# KiCad board Si5351ABreakout_panel.kicad_pcb (continued)
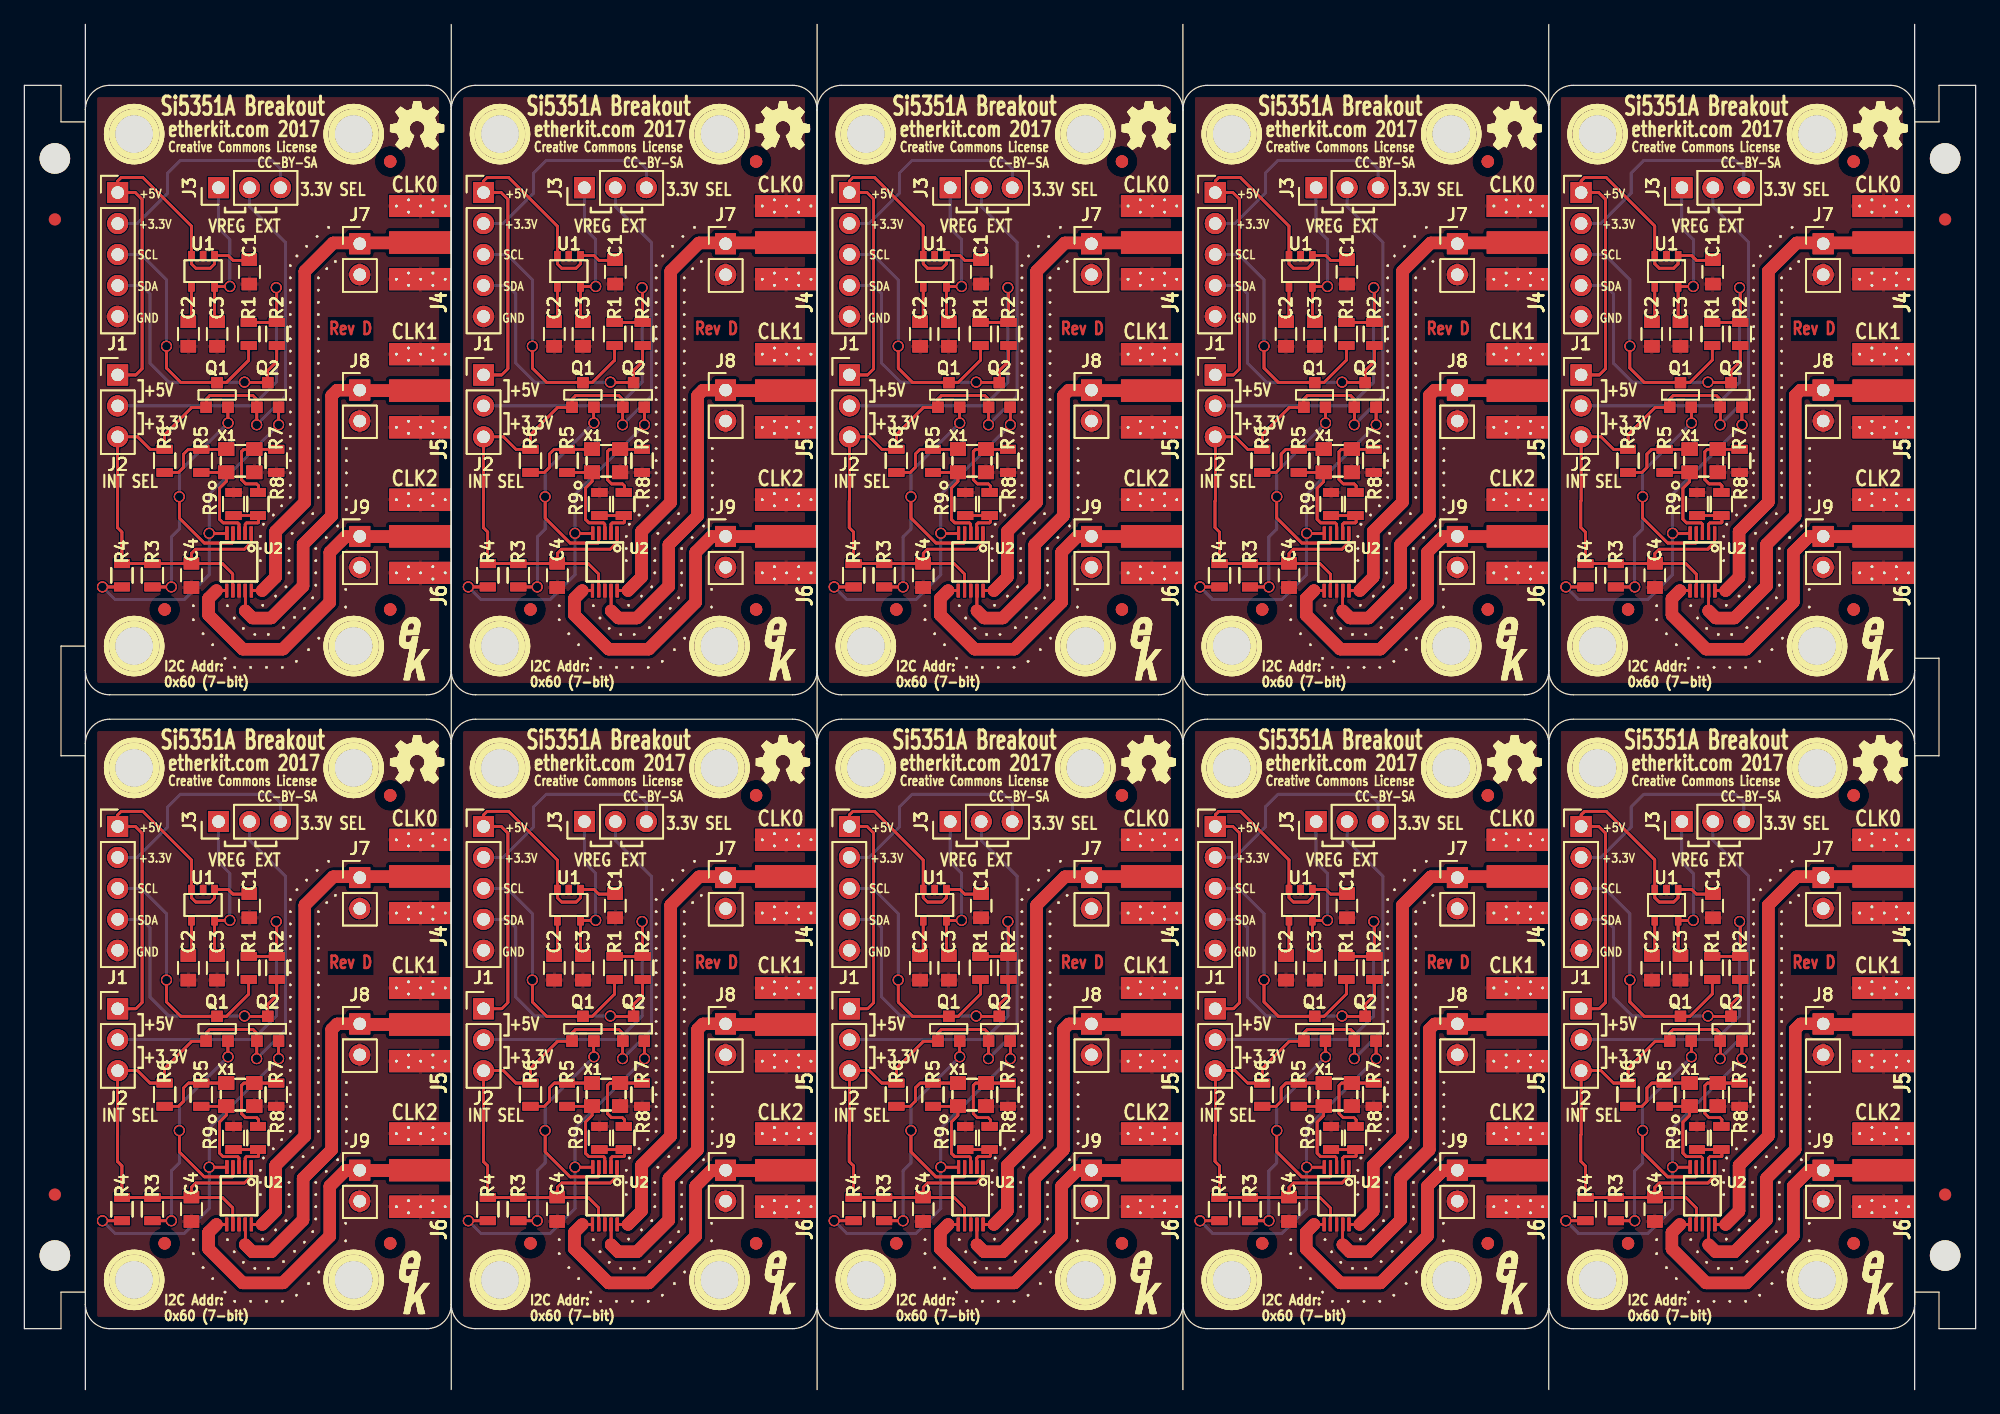
[diagram p0: board, top side]
## Placement (name value [footprint] x y rotation side) (continued)
VIA#3145  VAL**  [VIA]  107.2 11.3 0 top
VIA#3146  VAL**  [VIA]  107.2 11.3 0 top
VIA#3147  VAL**  [VIA]  106.65 12.3 0 top
VIA#3148  VAL**  [VIA]  106.65 12.3 0 top
VIA#3149  VAL**  [VIA]  109.35 18 0 top
VIA#3150  VAL**  [VIA]  109.35 18 0 top
VIA#3151  VAL**  [VIA]  109.35 18 0 top
VIA#3152  VAL**  [VIA]  109.35 17 0 top
VIA#3153  VAL**  [VIA]  109.35 18 0 top
VIA#3154  VAL**  [VIA]  109.35 17 0 top
VIA#3155  VAL**  [VIA]  109.35 17 0 top
VIA#3156  VAL**  [VIA]  109.35 17 0 top
VIA#3157  VAL**  [VIA]  103.85 12.3 0 top
VIA#3158  VAL**  [VIA]  103.85 12.3 0 top
VIA#3159  VAL**  [VIA]  103.85 12.3 0 top
VIA#3160  VAL**  [VIA]  103.85 12.3 0 top
VIA#3161  VAL**  [VIA]  109.55 12.35 0 top
VIA#3162  VAL**  [VIA]  109.35 16 0 top
VIA#3163  VAL**  [VIA]  109.55 12.35 0 top
VIA#3164  VAL**  [VIA]  109.55 12.35 0 top
VIA#3165  VAL**  [VIA]  109.55 12.35 0 top
VIA#3166  VAL**  [VIA]  109.35 16 0 top
VIA#3167  VAL**  [VIA]  109.35 16 0 top
VIA#3168  VAL**  [VIA]  109.35 16 0 top
VIA#3169  VAL**  [VIA]  111.7 16 0 top
VIA#3170  VAL**  [VIA]  111.7 17 0 top
VIA#3171  VAL**  [VIA]  111.7 16 0 top
VIA#3172  VAL**  [VIA]  111.7 17 0 top
VIA#3173  VAL**  [VIA]  111.7 17 0 top
VIA#3174  VAL**  [VIA]  111.7 17 0 top
VIA#3175  VAL**  [VIA]  110.6 13.1 0 top
VIA#3176  VAL**  [VIA]  111.45 13.85 0 top
VIA#3177  VAL**  [VIA]  110.6 13.1 0 top
VIA#3178  VAL**  [VIA]  110.6 13.1 0 top
VIA#3179  VAL**  [VIA]  111.45 13.85 0 top
VIA#3180  VAL**  [VIA]  111.45 13.85 0 top
VIA#3181  VAL**  [VIA]  110.6 13.1 0 top
VIA#3182  VAL**  [VIA]  111.45 13.85 0 top
VIA#3183  VAL**  [VIA]  111.7 16 0 top
VIA#3184  VAL**  [VIA]  111.7 15 0 top
VIA#3185  VAL**  [VIA]  111.7 16 0 top
VIA#3186  VAL**  [VIA]  111.7 15 0 top
VIA#3187  VAL**  [VIA]  111.7 15 0 top
VIA#3188  VAL**  [VIA]  111.7 15 0 top
VIA#3189  VAL**  [VIA]  84.1 36.2 0 top
VIA#3190  VAL**  [VIA]  84.1 37.2 0 top
VIA#3191  VAL**  [VIA]  84.1 37.2 0 top
VIA#3192  VAL**  [VIA]  84.1 37.2 0 top
VIA#3193  VAL**  [VIA]  84.1 36.2 0 top
VIA#3194  VAL**  [VIA]  84.8 39.95 0 top
VIA#3195  VAL**  [VIA]  84.8 39.95 0 top
VIA#3196  VAL**  [VIA]  84.1 39.2 0 top
VIA#3197  VAL**  [VIA]  84.8 39.95 0 top
VIA#3198  VAL**  [VIA]  84.8 39.95 0 top
VIA#3199  VAL**  [VIA]  83.15 41.8 0 top
VIA#3200  VAL**  [VIA]  83.15 41.8 0 top
VIA#3201  VAL**  [VIA]  83.15 41.8 0 top
VIA#3202  VAL**  [VIA]  83.15 41.8 0 top
VIA#3203  VAL**  [VIA]  84 42.6 0 top
VIA#3204  VAL**  [VIA]  84 42.6 0 top
VIA#3205  VAL**  [VIA]  84 42.6 0 top
VIA#3206  VAL**  [VIA]  84 42.6 0 top
VIA#3207  VAL**  [VIA]  84.1 39.2 0 top
VIA#3208  VAL**  [VIA]  84.1 38.2 0 top
VIA#3209  VAL**  [VIA]  84.1 38.2 0 top
VIA#3210  VAL**  [VIA]  84.1 38.2 0 top
VIA#3211  VAL**  [VIA]  84.1 39.2 0 top
VIA#3212  VAL**  [VIA]  84.1 39.2 0 top
VIA#3213  VAL**  [VIA]  84.1 38.2 0 top
VIA#3214  VAL**  [VIA]  84.1 37.2 0 top
VIA#3215  VAL**  [VIA]  81.8 37.2 0 top
VIA#3216  VAL**  [VIA]  81.8 38.2 0 top
VIA#3217  VAL**  [VIA]  81.8 37.2 0 top
VIA#3218  VAL**  [VIA]  81.8 38.2 0 top
VIA#3219  VAL**  [VIA]  81.8 39.2 0 top
VIA#3220  VAL**  [VIA]  81.8 40.2 0 top
VIA#3221  VAL**  [VIA]  111.8 31.2 0 top
VIA#3222  VAL**  [VIA]  111.8 32.2 0 top
VIA#3223  VAL**  [VIA]  111.8 33.2 0 top
VIA#3224  VAL**  [VIA]  111.8 34.2 0 top
VIA#3225  VAL**  [VIA]  111.8 34.2 0 top
VIA#3226  VAL**  [VIA]  111.8 35.2 0 top
VIA#3227  VAL**  [VIA]  111.8 35.2 0 top
VIA#3228  VAL**  [VIA]  111.8 35.2 0 top
VIA#3229  VAL**  [VIA]  111.8 35.2 0 top
VIA#3230  VAL**  [VIA]  111.8 36.2 0 top
VIA#3231  VAL**  [VIA]  111.8 37.2 0 top
VIA#3232  VAL**  [VIA]  111.8 36.2 0 top
VIA#3233  VAL**  [VIA]  111.8 36.2 0 top
VIA#3234  VAL**  [VIA]  111.8 36.2 0 top
VIA#3235  VAL**  [VIA]  111.8 37.2 0 top
VIA#3236  VAL**  [VIA]  111.8 37.2 0 top
VIA#3237  VAL**  [VIA]  84.1 34.2 0 top
VIA#3238  VAL**  [VIA]  84.1 35.2 0 top
VIA#3239  VAL**  [VIA]  84.1 36.2 0 top
VIA#3240  VAL**  [VIA]  84.1 36.2 0 top
VIA#3241  VAL**  [VIA]  84.1 35.2 0 top
VIA#3242  VAL**  [VIA]  84.1 35.2 0 top
VIA#3243  VAL**  [VIA]  84.1 34.2 0 top
VIA#3244  VAL**  [VIA]  84.1 35.2 0 top
VIA#3245  VAL**  [VIA]  84.1 34.2 0 top
VIA#3246  VAL**  [VIA]  84.1 34.2 0 top
VIA#3247  VAL**  [VIA]  84.1 33.2 0 top
VIA#3248  VAL**  [VIA]  84.1 32.2 0 top
VIA#3249  VAL**  [VIA]  84.1 33.2 0 top
VIA#3250  VAL**  [VIA]  84.1 33.2 0 top
VIA#3251  VAL**  [VIA]  84.1 33.2 0 top
VIA#3252  VAL**  [VIA]  81.8 34.2 0 top
VIA#3253  VAL**  [VIA]  81.8 35.2 0 top
VIA#3254  VAL**  [VIA]  81.8 34.2 0 top
VIA#3255  VAL**  [VIA]  81.8 36.2 0 top
VIA#3256  VAL**  [VIA]  81.8 35.2 0 top
VIA#3257  VAL**  [VIA]  81.8 36.2 0 top
VIA#3258  VAL**  [VIA]  84.1 31.2 0 top
VIA#3259  VAL**  [VIA]  84.1 32.2 0 top
VIA#3260  VAL**  [VIA]  84.1 32.2 0 top
VIA#3261  VAL**  [VIA]  84.1 31.2 0 top
VIA#3262  VAL**  [VIA]  84.1 32.2 0 top
VIA#3263  VAL**  [VIA]  84.1 31.2 0 top
VIA#3264  VAL**  [VIA]  84.1 31.2 0 top
VIA#3265  VAL**  [VIA]  81.8 31.2 0 top
VIA#3266  VAL**  [VIA]  81.8 31.2 0 top
VIA#3267  VAL**  [VIA]  81.8 31.2 0 top
VIA#3268  VAL**  [VIA]  81.8 32.2 0 top
VIA#3269  VAL**  [VIA]  81.8 31.2 0 top
VIA#3270  VAL**  [VIA]  81.8 32.2 0 top
VIA#3271  VAL**  [VIA]  81.8 33.2 0 top
VIA#3272  VAL**  [VIA]  81.8 33.2 0 top
VIA#3273  VAL**  [VIA]  85.5 40.55 0 top
VIA#3274  VAL**  [VIA]  85.5 40.55 0 top
VIA#3275  VAL**  [VIA]  85.5 40.55 0 top
VIA#3276  VAL**  [VIA]  85.5 40.55 0 top
VIA#3277  VAL**  [VIA]  84.95 43.35 0 top
VIA#3278  VAL**  [VIA]  84.95 43.35 0 top
VIA#3279  VAL**  [VIA]  84.95 43.35 0 top
VIA#3280  VAL**  [VIA]  84.95 43.35 0 top
VIA#3281  VAL**  [VIA]  111.8 38.2 0 top
VIA#3282  VAL**  [VIA]  111.8 39.2 0 top
VIA#3283  VAL**  [VIA]  111.8 38.2 0 top
VIA#3284  VAL**  [VIA]  111.8 37.2 0 top
VIA#3285  VAL**  [VIA]  111.8 38.2 0 top
VIA#3286  VAL**  [VIA]  111.8 38.2 0 top
VIA#3287  VAL**  [VIA]  111.8 39.2 0 top
VIA#3288  VAL**  [VIA]  111.8 39.2 0 top
VIA#3289  VAL**  [VIA]  111.8 39.2 0 top
VIA#3290  VAL**  [VIA]  111.8 40.2 0 top
VIA#3291  VAL**  [VIA]  111.8 40.2 0 top
VIA#3292  VAL**  [VIA]  111.8 40.2 0 top
VIA#3293  VAL**  [VIA]  141.7 16 0 top
VIA#3294  VAL**  [VIA]  141.7 17 0 top
VIA#3295  VAL**  [VIA]  141.7 17 0 top
VIA#3296  VAL**  [VIA]  141.7 17 0 top
VIA#3297  VAL**  [VIA]  141.7 16 0 top
VIA#3298  VAL**  [VIA]  141.7 16 0 top
VIA#3299  VAL**  [VIA]  141.7 16 0 top
VIA#3300  VAL**  [VIA]  141.7 17 0 top
VIA#3301  VAL**  [VIA]  143.9 14 0 top
VIA#3302  VAL**  [VIA]  143.9 15 0 top
VIA#3303  VAL**  [VIA]  143.9 14 0 top
VIA#3304  VAL**  [VIA]  143.9 14 0 top
VIA#3305  VAL**  [VIA]  143.9 14 0 top
VIA#3306  VAL**  [VIA]  143.9 15 0 top
VIA#3307  VAL**  [VIA]  143.9 15 0 top
VIA#3308  VAL**  [VIA]  143.9 16 0 top
VIA#3309  VAL**  [VIA]  143.9 17 0 top
VIA#3310  VAL**  [VIA]  143.9 17 0 top
VIA#3311  VAL**  [VIA]  143.9 16 0 top
VIA#3312  VAL**  [VIA]  143.9 17 0 top
VIA#3313  VAL**  [VIA]  143.9 16 0 top
VIA#3314  VAL**  [VIA]  143.9 17 0 top
VIA#3315  VAL**  [VIA]  143.9 16 0 top
VIA#3316  VAL**  [VIA]  141.7 15 0 top
VIA#3317  VAL**  [VIA]  141.7 15 0 top
VIA#3318  VAL**  [VIA]  141.45 13.85 0 top
VIA#3319  VAL**  [VIA]  141.45 13.85 0 top
VIA#3320  VAL**  [VIA]  141.45 13.85 0 top
VIA#3321  VAL**  [VIA]  141.7 15 0 top
VIA#3322  VAL**  [VIA]  141.45 13.85 0 top
VIA#3323  VAL**  [VIA]  141.7 15 0 top
VIA#3324  VAL**  [VIA]  143.9 15 0 top
VIA#3325  VAL**  [VIA]  146.35 13.65 0 top
VIA#3326  VAL**  [VIA]  146.35 13.65 0 top
VIA#3327  VAL**  [VIA]  146.35 13.65 0 top
VIA#3328  VAL**  [VIA]  146.35 13.65 0 top
VIA#3329  VAL**  [VIA]  141.1 20.5 0 top
VIA#3330  VAL**  [VIA]  141.1 20.5 0 top
VIA#3331  VAL**  [VIA]  140.4 19.75 0 top
VIA#3332  VAL**  [VIA]  140.4 19.75 0 top
VIA#3333  VAL**  [VIA]  141.1 20.5 0 top
VIA#3334  VAL**  [VIA]  141.1 20.5 0 top
VIA#3335  VAL**  [VIA]  140.4 19.75 0 top
VIA#3336  VAL**  [VIA]  140.4 19.75 0 top
VIA#3337  VAL**  [VIA]  139.35 18 0 top
VIA#3338  VAL**  [VIA]  139.35 18 0 top
VIA#3339  VAL**  [VIA]  139.35 17 0 top
VIA#3340  VAL**  [VIA]  139.35 18 0 top
VIA#3341  VAL**  [VIA]  139.35 18 0 top
VIA#3342  VAL**  [VIA]  139.35 17 0 top
VIA#3343  VAL**  [VIA]  141.8 22.2 0 top
VIA#3344  VAL**  [VIA]  141.8 21.2 0 top
VIA#3345  VAL**  [VIA]  141.8 22.2 0 top
VIA#3346  VAL**  [VIA]  141.8 21.2 0 top
VIA#3347  VAL**  [VIA]  141.8 21.2 0 top
VIA#3348  VAL**  [VIA]  141.8 22.2 0 top
VIA#3349  VAL**  [VIA]  141.8 21.2 0 top
VIA#3350  VAL**  [VIA]  141.8 22.2 0 top
VIA#3351  VAL**  [VIA]  139.6 19 0 top
VIA#3352  VAL**  [VIA]  139.6 19 0 top
VIA#3353  VAL**  [VIA]  139.6 19 0 top
VIA#3354  VAL**  [VIA]  139.6 19 0 top
VIA#3355  VAL**  [VIA]  142.85 19.1 0 top
VIA#3356  VAL**  [VIA]  141.95 18.25 0 top
VIA#3357  VAL**  [VIA]  142.85 19.1 0 top
VIA#3358  VAL**  [VIA]  141.95 18.25 0 top
VIA#3359  VAL**  [VIA]  141.95 18.25 0 top
VIA#3360  VAL**  [VIA]  142.85 19.1 0 top
VIA#3361  VAL**  [VIA]  141.95 18.25 0 top
VIA#3362  VAL**  [VIA]  142.85 19.1 0 top
VIA#3363  VAL**  [VIA]  139.35 16 0 top
VIA#3364  VAL**  [VIA]  139.35 17 0 top
VIA#3365  VAL**  [VIA]  139.35 16 0 top
VIA#3366  VAL**  [VIA]  139.35 16 0 top
VIA#3367  VAL**  [VIA]  139.35 16 0 top
VIA#3368  VAL**  [VIA]  142.95 12.1 0 top
VIA#3369  VAL**  [VIA]  142.15 11.35 0 top
VIA#3370  VAL**  [VIA]  142.95 12.1 0 top
VIA#3371  VAL**  [VIA]  142.95 12.1 0 top
VIA#3372  VAL**  [VIA]  142.95 12.1 0 top
VIA#3373  VAL**  [VIA]  144.15 9.65 0 top
VIA#3374  VAL**  [VIA]  144.15 9.65 0 top
VIA#3375  VAL**  [VIA]  144.15 9.65 0 top
VIA#3376  VAL**  [VIA]  144.15 9.65 0 top
VIA#3377  VAL**  [VIA]  146.35 12.2 0 top
VIA#3378  VAL**  [VIA]  146.35 12.2 0 top
VIA#3379  VAL**  [VIA]  146.35 12.2 0 top
VIA#3380  VAL**  [VIA]  146.35 12.2 0 top
VIA#3381  VAL**  [VIA]  137.2 11.3 0 top
VIA#3382  VAL**  [VIA]  136.65 12.3 0 top
VIA#3383  VAL**  [VIA]  137.2 11.3 0 top
VIA#3384  VAL**  [VIA]  137.2 11.3 0 top
VIA#3385  VAL**  [VIA]  136.65 12.3 0 top
VIA#3386  VAL**  [VIA]  137.2 11.3 0 top
VIA#3387  VAL**  [VIA]  136.65 12.3 0 top
VIA#3388  VAL**  [VIA]  136.65 12.3 0 top
VIA#3389  VAL**  [VIA]  143.65 12.95 0 top
VIA#3390  VAL**  [VIA]  143.65 12.95 0 top
VIA#3391  VAL**  [VIA]  143.65 12.95 0 top
VIA#3392  VAL**  [VIA]  143.65 12.95 0 top
VIA#3393  VAL**  [VIA]  139.35 17 0 top
VIA#3394  VAL**  [VIA]  139.55 12.35 0 top
VIA#3395  VAL**  [VIA]  140.6 13.1 0 top
VIA#3396  VAL**  [VIA]  139.55 12.35 0 top
VIA#3397  VAL**  [VIA]  139.55 12.35 0 top
VIA#3398  VAL**  [VIA]  140.6 13.1 0 top
VIA#3399  VAL**  [VIA]  140.6 13.1 0 top
VIA#3400  VAL**  [VIA]  139.55 12.35 0 top
VIA#3401  VAL**  [VIA]  140.6 13.1 0 top
VIA#3402  VAL**  [VIA]  139.85 7.25 0 top
VIA#3403  VAL**  [VIA]  141.15 7.25 0 top
VIA#3404  VAL**  [VIA]  141.15 7.25 0 top
VIA#3405  VAL**  [VIA]  141.15 7.25 0 top
VIA#3406  VAL**  [VIA]  141.15 7.25 0 top
VIA#3407  VAL**  [VIA]  143.3 8.7 0 top
VIA#3408  VAL**  [VIA]  142.3 7.75 0 top
VIA#3409  VAL**  [VIA]  143.3 8.7 0 top
VIA#3410  VAL**  [VIA]  143.3 8.7 0 top
VIA#3411  VAL**  [VIA]  142.3 7.75 0 top
VIA#3412  VAL**  [VIA]  142.3 7.75 0 top
VIA#3413  VAL**  [VIA]  143.3 8.7 0 top
VIA#3414  VAL**  [VIA]  142.3 7.75 0 top
VIA#3415  VAL**  [VIA]  141.25 10.5 0 top
VIA#3416  VAL**  [VIA]  142.15 11.35 0 top
VIA#3417  VAL**  [VIA]  142.15 11.35 0 top
VIA#3418  VAL**  [VIA]  141.25 10.5 0 top
VIA#3419  VAL**  [VIA]  141.25 10.5 0 top
VIA#3420  VAL**  [VIA]  142.15 11.35 0 top
VIA#3421  VAL**  [VIA]  141.25 10.5 0 top
VIA#3422  VAL**  [VIA]  140 9.95 0 top
VIA#3423  VAL**  [VIA]  138.9 9.95 0 top
VIA#3424  VAL**  [VIA]  140 9.95 0 top
VIA#3425  VAL**  [VIA]  140 9.95 0 top
VIA#3426  VAL**  [VIA]  140 9.95 0 top
VIA#3427  VAL**  [VIA]  139.85 7.25 0 top
VIA#3428  VAL**  [VIA]  139.85 7.25 0 top
VIA#3429  VAL**  [VIA]  139.85 7.25 0 top
VIA#3430  VAL**  [VIA]  138.55 7.25 0 top
VIA#3431  VAL**  [VIA]  138.55 7.25 0 top
VIA#3432  VAL**  [VIA]  138.55 7.25 0 top
VIA#3433  VAL**  [VIA]  138.55 7.25 0 top
VIA#3434  VAL**  [VIA]  137.25 7.25 0 top
VIA#3435  VAL**  [VIA]  136.45 8 0 top
VIA#3436  VAL**  [VIA]  137.25 7.25 0 top
VIA#3437  VAL**  [VIA]  137.25 7.25 0 top
VIA#3438  VAL**  [VIA]  136.45 8 0 top
VIA#3439  VAL**  [VIA]  137.25 7.25 0 top
VIA#3440  VAL**  [VIA]  136.45 8 0 top
VIA#3441  VAL**  [VIA]  136.45 8 0 top
VIA#3442  VAL**  [VIA]  135.45 9.1 0 top
VIA#3443  VAL**  [VIA]  134.65 10 0 top
VIA#3444  VAL**  [VIA]  135.45 9.1 0 top
VIA#3445  VAL**  [VIA]  135.45 9.1 0 top
VIA#3446  VAL**  [VIA]  134.65 10 0 top
VIA#3447  VAL**  [VIA]  134.65 10 0 top
VIA#3448  VAL**  [VIA]  135.45 9.1 0 top
VIA#3449  VAL**  [VIA]  134.65 10 0 top
VIA#3450  VAL**  [VIA]  138.9 9.95 0 top
VIA#3451  VAL**  [VIA]  138.9 9.95 0 top
VIA#3452  VAL**  [VIA]  138.9 9.95 0 top
VIA#3453  VAL**  [VIA]  137.95 10.45 0 top
VIA#3454  VAL**  [VIA]  137.95 10.45 0 top
VIA#3455  VAL**  [VIA]  137.95 10.45 0 top
VIA#3456  VAL**  [VIA]  137.95 10.45 0 top
VIA#3457  VAL**  [VIA]  144.1 22.2 0 top
VIA#3458  VAL**  [VIA]  144.1 21.2 0 top
VIA#3459  VAL**  [VIA]  144.1 21.2 0 top
VIA#3460  VAL**  [VIA]  144.1 22.2 0 top
VIA#3461  VAL**  [VIA]  144.1 22.2 0 top
VIA#3462  VAL**  [VIA]  144.1 21.2 0 top
VIA#3463  VAL**  [VIA]  146.4 22.2 0 top
VIA#3464  VAL**  [VIA]  146.4 21.2 0 top
VIA#3465  VAL**  [VIA]  146.4 21.2 0 top
VIA#3466  VAL**  [VIA]  146.4 22.2 0 top
VIA#3467  VAL**  [VIA]  146.4 22.2 0 top
VIA#3468  VAL**  [VIA]  146.4 21.2 0 top
VIA#3469  VAL**  [VIA]  146.4 23.2 0 top
VIA#3470  VAL**  [VIA]  146.4 22.2 0 top
VIA#3471  VAL**  [VIA]  146.4 23.2 0 top
VIA#3472  VAL**  [VIA]  146.4 23.2 0 top
VIA#3473  VAL**  [VIA]  146.4 23.2 0 top
VIA#3474  VAL**  [VIA]  144.75 17.9 0 top
VIA#3475  VAL**  [VIA]  145.7 18.85 0 top
VIA#3476  VAL**  [VIA]  144.75 17.9 0 top
VIA#3477  VAL**  [VIA]  145.7 18.85 0 top
VIA#3478  VAL**  [VIA]  145.7 18.85 0 top
VIA#3479  VAL**  [VIA]  145.7 18.85 0 top
VIA#3480  VAL**  [VIA]  144.75 17.9 0 top
VIA#3481  VAL**  [VIA]  144.75 17.9 0 top
VIA#3482  VAL**  [VIA]  144.1 23.2 0 top
VIA#3483  VAL**  [VIA]  144.1 22.2 0 top
VIA#3484  VAL**  [VIA]  144.1 23.2 0 top
VIA#3485  VAL**  [VIA]  144.1 23.2 0 top
VIA#3486  VAL**  [VIA]  144.1 23.2 0 top
VIA#3487  VAL**  [VIA]  146.4 21.2 0 top
VIA#3488  VAL**  [VIA]  146.4 20.2 0 top
VIA#3489  VAL**  [VIA]  146.4 20.2 0 top
VIA#3490  VAL**  [VIA]  146.4 20.2 0 top
VIA#3491  VAL**  [VIA]  146.4 20.2 0 top
VIA#3492  VAL**  [VIA]  144.1 21.2 0 top
VIA#3493  VAL**  [VIA]  143.65 19.85 0 top
VIA#3494  VAL**  [VIA]  143.65 19.85 0 top
VIA#3495  VAL**  [VIA]  143.65 19.85 0 top
VIA#3496  VAL**  [VIA]  143.65 19.85 0 top
VIA#3497  VAL**  [VIA]  133.85 12.3 0 top
VIA#3498  VAL**  [VIA]  133.85 12.3 0 top
VIA#3499  VAL**  [VIA]  133.85 12.3 0 top
VIA#3500  VAL**  [VIA]  133.85 12.3 0 top
VIA#3501  VAL**  [VIA]  133.85 11.15 0 top
VIA#3502  VAL**  [VIA]  133.85 11.15 0 top
VIA#3503  VAL**  [VIA]  133.85 11.15 0 top
VIA#3504  VAL**  [VIA]  133.85 11.15 0 top
VIA#3505  VAL**  [VIA]  116.4 22.2 0 top
VIA#3506  VAL**  [VIA]  116.4 22.2 0 top
VIA#3507  VAL**  [VIA]  116.4 23.2 0 top
VIA#3508  VAL**  [VIA]  116.4 23.2 0 top
VIA#3509  VAL**  [VIA]  116.4 23.2 0 top
VIA#3510  VAL**  [VIA]  116.4 23.2 0 top
VIA#3511  VAL**  [VIA]  116.4 22.2 0 top
VIA#3512  VAL**  [VIA]  116.4 22.2 0 top
VIA#3513  VAL**  [VIA]  114.1 25.2 0 top
VIA#3514  VAL**  [VIA]  114.1 24.2 0 top
VIA#3515  VAL**  [VIA]  114.1 24.2 0 top
VIA#3516  VAL**  [VIA]  114.1 24.2 0 top
VIA#3517  VAL**  [VIA]  114.1 24.2 0 top
VIA#3518  VAL**  [VIA]  114.1 23.2 0 top
VIA#3519  VAL**  [VIA]  114.1 22.2 0 top
VIA#3520  VAL**  [VIA]  114.1 22.2 0 top
VIA#3521  VAL**  [VIA]  114.1 23.2 0 top
VIA#3522  VAL**  [VIA]  114.1 22.2 0 top
VIA#3523  VAL**  [VIA]  114.1 23.2 0 top
VIA#3524  VAL**  [VIA]  114.1 23.2 0 top
VIA#3525  VAL**  [VIA]  114.1 22.2 0 top
VIA#3526  VAL**  [VIA]  116.4 24.2 0 top
VIA#3527  VAL**  [VIA]  116.4 25.2 0 top
VIA#3528  VAL**  [VIA]  116.4 25.2 0 top
VIA#3529  VAL**  [VIA]  116.4 24.2 0 top
VIA#3530  VAL**  [VIA]  116.4 25.2 0 top
VIA#3531  VAL**  [VIA]  116.4 24.2 0 top
VIA#3532  VAL**  [VIA]  116.4 25.2 0 top
VIA#3533  VAL**  [VIA]  116.4 24.2 0 top
VIA#3534  VAL**  [VIA]  114.1 25.2 0 top
VIA#3535  VAL**  [VIA]  114.1 25.2 0 top
VIA#3536  VAL**  [VIA]  114.1 25.2 0 top
VIA#3537  VAL**  [VIA]  111.8 26.2 0 top
VIA#3538  VAL**  [VIA]  111.8 27.2 0 top
VIA#3539  VAL**  [VIA]  111.8 28.2 0 top
VIA#3540  VAL**  [VIA]  111.8 34.2 0 top
VIA#3541  VAL**  [VIA]  111.8 33.2 0 top
VIA#3542  VAL**  [VIA]  111.8 33.2 0 top
VIA#3543  VAL**  [VIA]  111.8 33.2 0 top
VIA#3544  VAL**  [VIA]  111.8 34.2 0 top
VIA#3545  VAL**  [VIA]  114.1 34.2 0 top
VIA#3546  VAL**  [VIA]  114.1 33.2 0 top
VIA#3547  VAL**  [VIA]  114.1 34.2 0 top
VIA#3548  VAL**  [VIA]  114.1 33.2 0 top
VIA#3549  VAL**  [VIA]  114.1 34.2 0 top
VIA#3550  VAL**  [VIA]  111.8 32.2 0 top
VIA#3551  VAL**  [VIA]  111.8 31.2 0 top
VIA#3552  VAL**  [VIA]  111.8 32.2 0 top
VIA#3553  VAL**  [VIA]  111.8 32.2 0 top
VIA#3554  VAL**  [VIA]  111.8 31.2 0 top
VIA#3555  VAL**  [VIA]  111.8 31.2 0 top
VIA#3556  VAL**  [VIA]  114.1 29.2 0 top
VIA#3557  VAL**  [VIA]  114.1 29.2 0 top
VIA#3558  VAL**  [VIA]  114.1 29.2 0 top
VIA#3559  VAL**  [VIA]  111.8 30.2 0 top
VIA#3560  VAL**  [VIA]  111.8 29.2 0 top
VIA#3561  VAL**  [VIA]  114.1 29.2 0 top
VIA#3562  VAL**  [VIA]  114.1 34.2 0 top
VIA#3563  VAL**  [VIA]  114.1 35.2 0 top
VIA#3564  VAL**  [VIA]  114.1 35.2 0 top
VIA#3565  VAL**  [VIA]  114.1 35.2 0 top
VIA#3566  VAL**  [VIA]  114.1 35.2 0 top
VIA#3567  VAL**  [VIA]  114.1 30.2 0 top
VIA#3568  VAL**  [VIA]  114.1 30.2 0 top
VIA#3569  VAL**  [VIA]  114.1 31.2 0 top
VIA#3570  VAL**  [VIA]  114.1 30.2 0 top
VIA#3571  VAL**  [VIA]  114.1 31.2 0 top
VIA#3572  VAL**  [VIA]  114.1 31.2 0 top
VIA#3573  VAL**  [VIA]  114.1 31.2 0 top
VIA#3574  VAL**  [VIA]  114.1 30.2 0 top
VIA#3575  VAL**  [VIA]  114.1 33.2 0 top
VIA#3576  VAL**  [VIA]  114.1 33.2 0 top
VIA#3577  VAL**  [VIA]  114.1 32.2 0 top
VIA#3578  VAL**  [VIA]  114.1 32.2 0 top
VIA#3579  VAL**  [VIA]  114.1 32.2 0 top
VIA#3580  VAL**  [VIA]  114.1 32.2 0 top
VIA#3581  VAL**  [VIA]  116.4 21.2 0 top
VIA#3582  VAL**  [VIA]  116.4 20.2 0 top
VIA#3583  VAL**  [VIA]  116.4 21.2 0 top
VIA#3584  VAL**  [VIA]  116.4 21.2 0 top
VIA#3585  VAL**  [VIA]  116.4 20.2 0 top
VIA#3586  VAL**  [VIA]  116.4 20.2 0 top
VIA#3587  VAL**  [VIA]  116.4 21.2 0 top
VIA#3588  VAL**  [VIA]  116.4 20.2 0 top
VIA#3589  VAL**  [VIA]  115.7 18.85 0 top
VIA#3590  VAL**  [VIA]  115.7 18.85 0 top
VIA#3591  VAL**  [VIA]  115.7 18.85 0 top
VIA#3592  VAL**  [VIA]  115.7 18.85 0 top
VIA#3593  VAL**  [VIA]  113.9 16 0 top
VIA#3594  VAL**  [VIA]  113.9 16 0 top
VIA#3595  VAL**  [VIA]  113.9 15 0 top
VIA#3596  VAL**  [VIA]  113.9 16 0 top
VIA#3597  VAL**  [VIA]  113.9 16 0 top